# Allegro board TNR_REV00_150306.brd (continued)
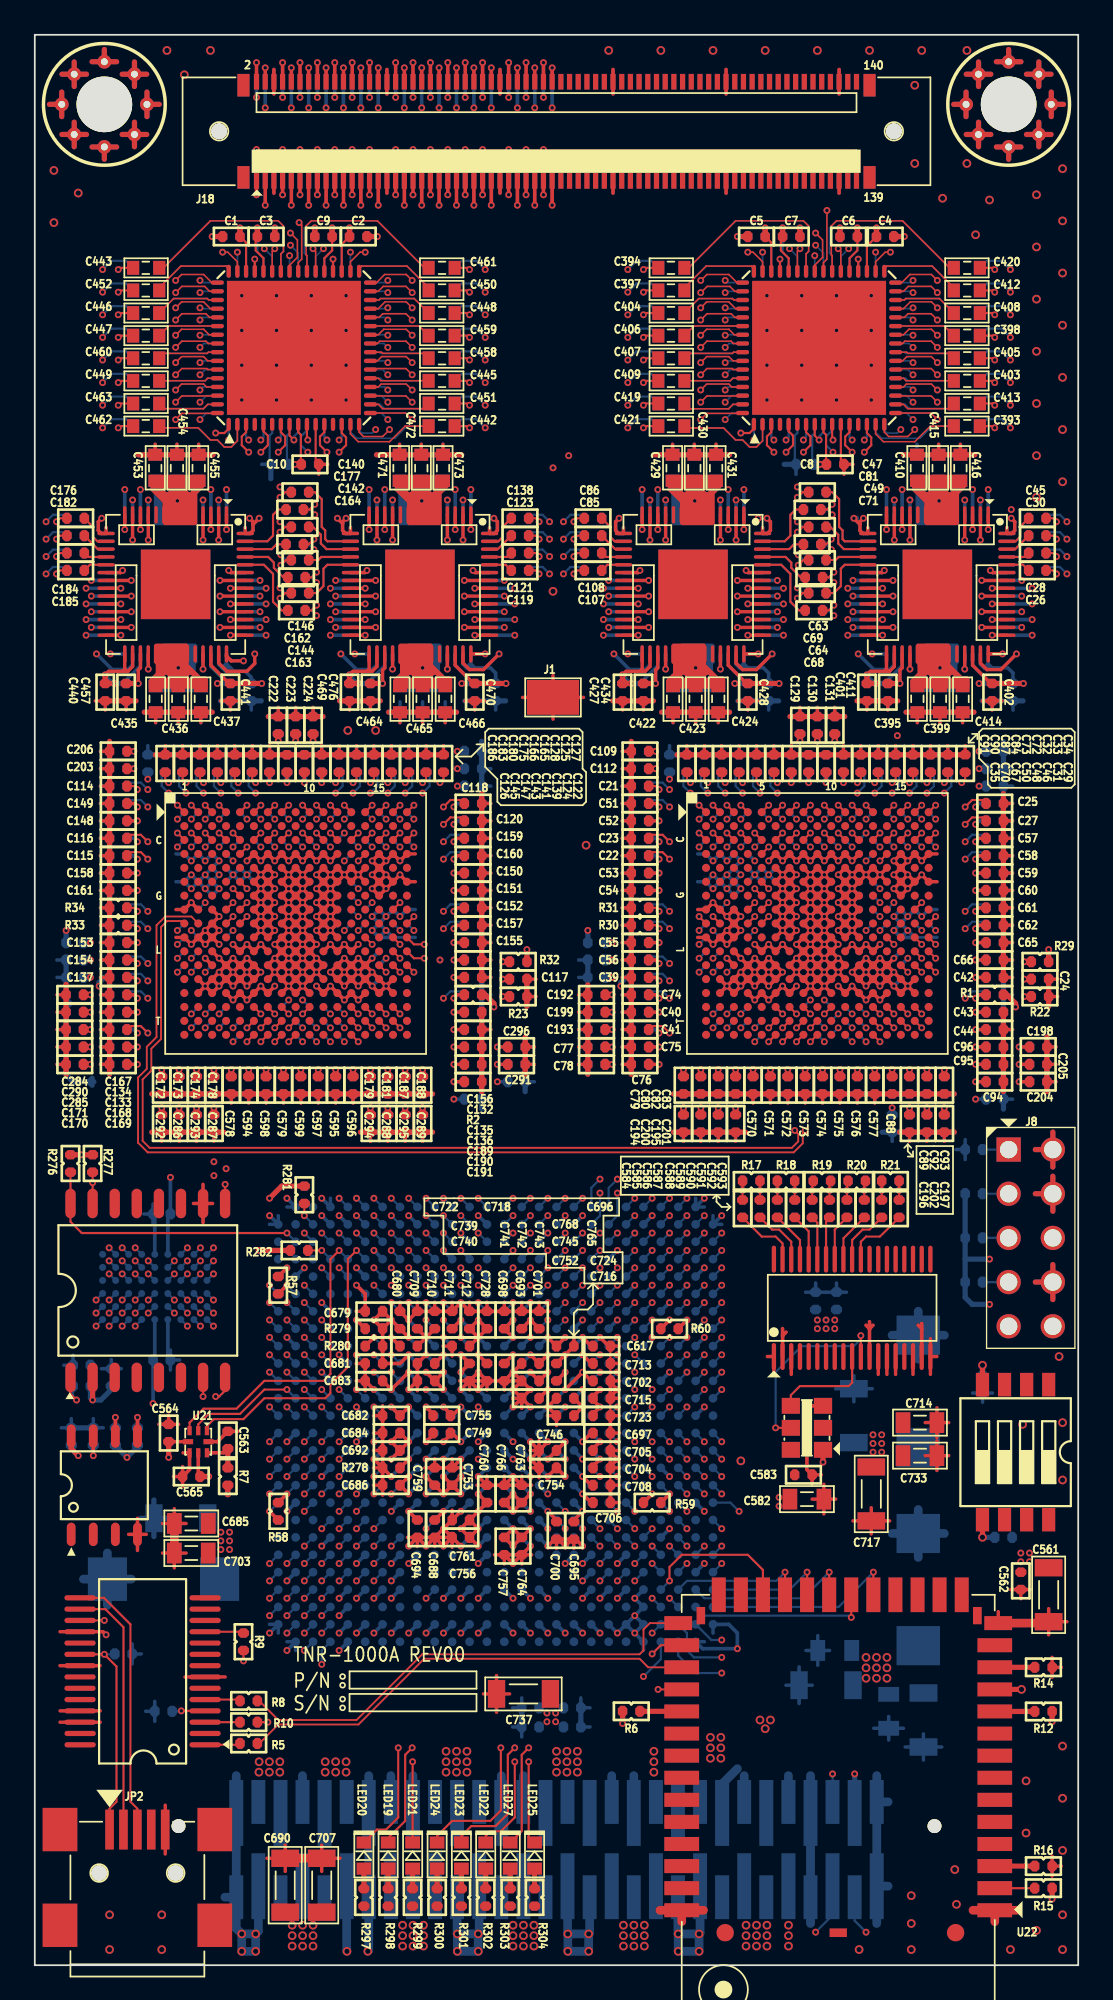
[diagram p0: board, top side]
## Copper pours and planes (outline as drawn; the poured copper is in the pictures) (continued)
HVP_VAR on TOP (solid shape): 52.65,75.9 52.65,74.8 53.35,74.1 53.65,74.1 53.75,74 53.75,73.4 50.35,73.4 50.35,73.9 50.75,74.3 50.75,74.8 50.65,74.9 50.65,75.9 50.75,76 52.55,76
HVP_VAR on BOTTOM (solid shape): 9.35,75.9 9.35,74.9 9.25,74.8 9.25,74.4 9.55,74.1 9.85,74.1 9.95,74 9.95,73.2 6.55,73.2 6.55,73.9 7.35,74.7 7.35,75.9 7.45,76 9.25,76
HVP_VAR on BOTTOM (solid shape): 23.4,75.9 23.4,74.9 23.3,74.8 23.3,74.4 23.6,74.1 23.9,74.1 24,74 24,73.2 20.6,73.2 20.6,73.9 21.4,74.7 21.4,75.9 21.5,76 23.3,76
HVP_VAR on BOTTOM (solid shape): 39.1,75.9 39.1,74.9 39,74.8 39,74.4 39.3,74.1 39.6,74.1 39.7,74 39.7,73.2 36.3,73.2 36.3,73.9 37.1,74.7 37.1,75.9 37.2,76 39,76
HVP_VAR on BOTTOM (solid shape): 53.15,75.9 53.15,74.9 53.05,74.8 53.05,74.4 53.35,74.1 53.65,74.1 53.75,74 53.75,73.2 50.35,73.2 50.35,73.9 51.15,74.7 51.15,75.9 51.25,76 53.05,76
HVP_VAR on BOTTOM: 12.49,6.9 12.49,11.8 12.69,12 14.29,12 14.49,11.8 14.49,7 14.39,6.9
HVP_VAR on 7-PWR: 47.9,102.4 48.9,101.4 48.9,99.7 48.7,99.5 48.2,99.5 48.1,99.6 48.1,100.3 47.7,100.7 46.9,100.7 46.5,100.3 46.5,99.9 46.4,99.8 43.9,99.8 43.8,99.9 43.8,100.3 43.4,100.7 42.6,100.7 42.2,100.3 42.2,99.6 42.1,99.5 18,99.5 17.9,99.6 17.9,100.3 17.5,100.7 16.7,100.7 16.3,100.3 16.3,99.9 16.2,99.8 14.1,99.8 13.2,100.7 12.4,100.7 12,100.3 12,99.6 11.9,99.5 5.8,99.5 3.6,97.3 3.6,80.4 7.8,76.2 53,76.2 53.2,76 53.2,73.4 53,73.2 11.4,73.2 10.4,72.2 10.4,67.6 10.3,67.5 5.1,67.5 4.8,67.2 4.8,20.3 11.3,13.8 13.1,13.8 14.4,12.5 14.4,10.8 14.2,10.6 9,10.6 0.7,18.9 0.7,98.3 4.8,102.4

## Text on the board
Ref Des/Silkscreen Top: TNR-1000A REV00 | P/N | S/N
